# Altium PCB DM1092.PcbDoc (part 3 of 5)
Units mm, origin at the board's own origin, x right, y up, seen from the top; angles counter-clockwise.
Board outline 60 x 51 mm, 6 copper layers (Layer 1, Layer 2, Layer 3, Layer 4, Layer 5, Layer 6), stack 1.599 mm thick; 254 components, 187 nets, 978 pads, 548 vias.
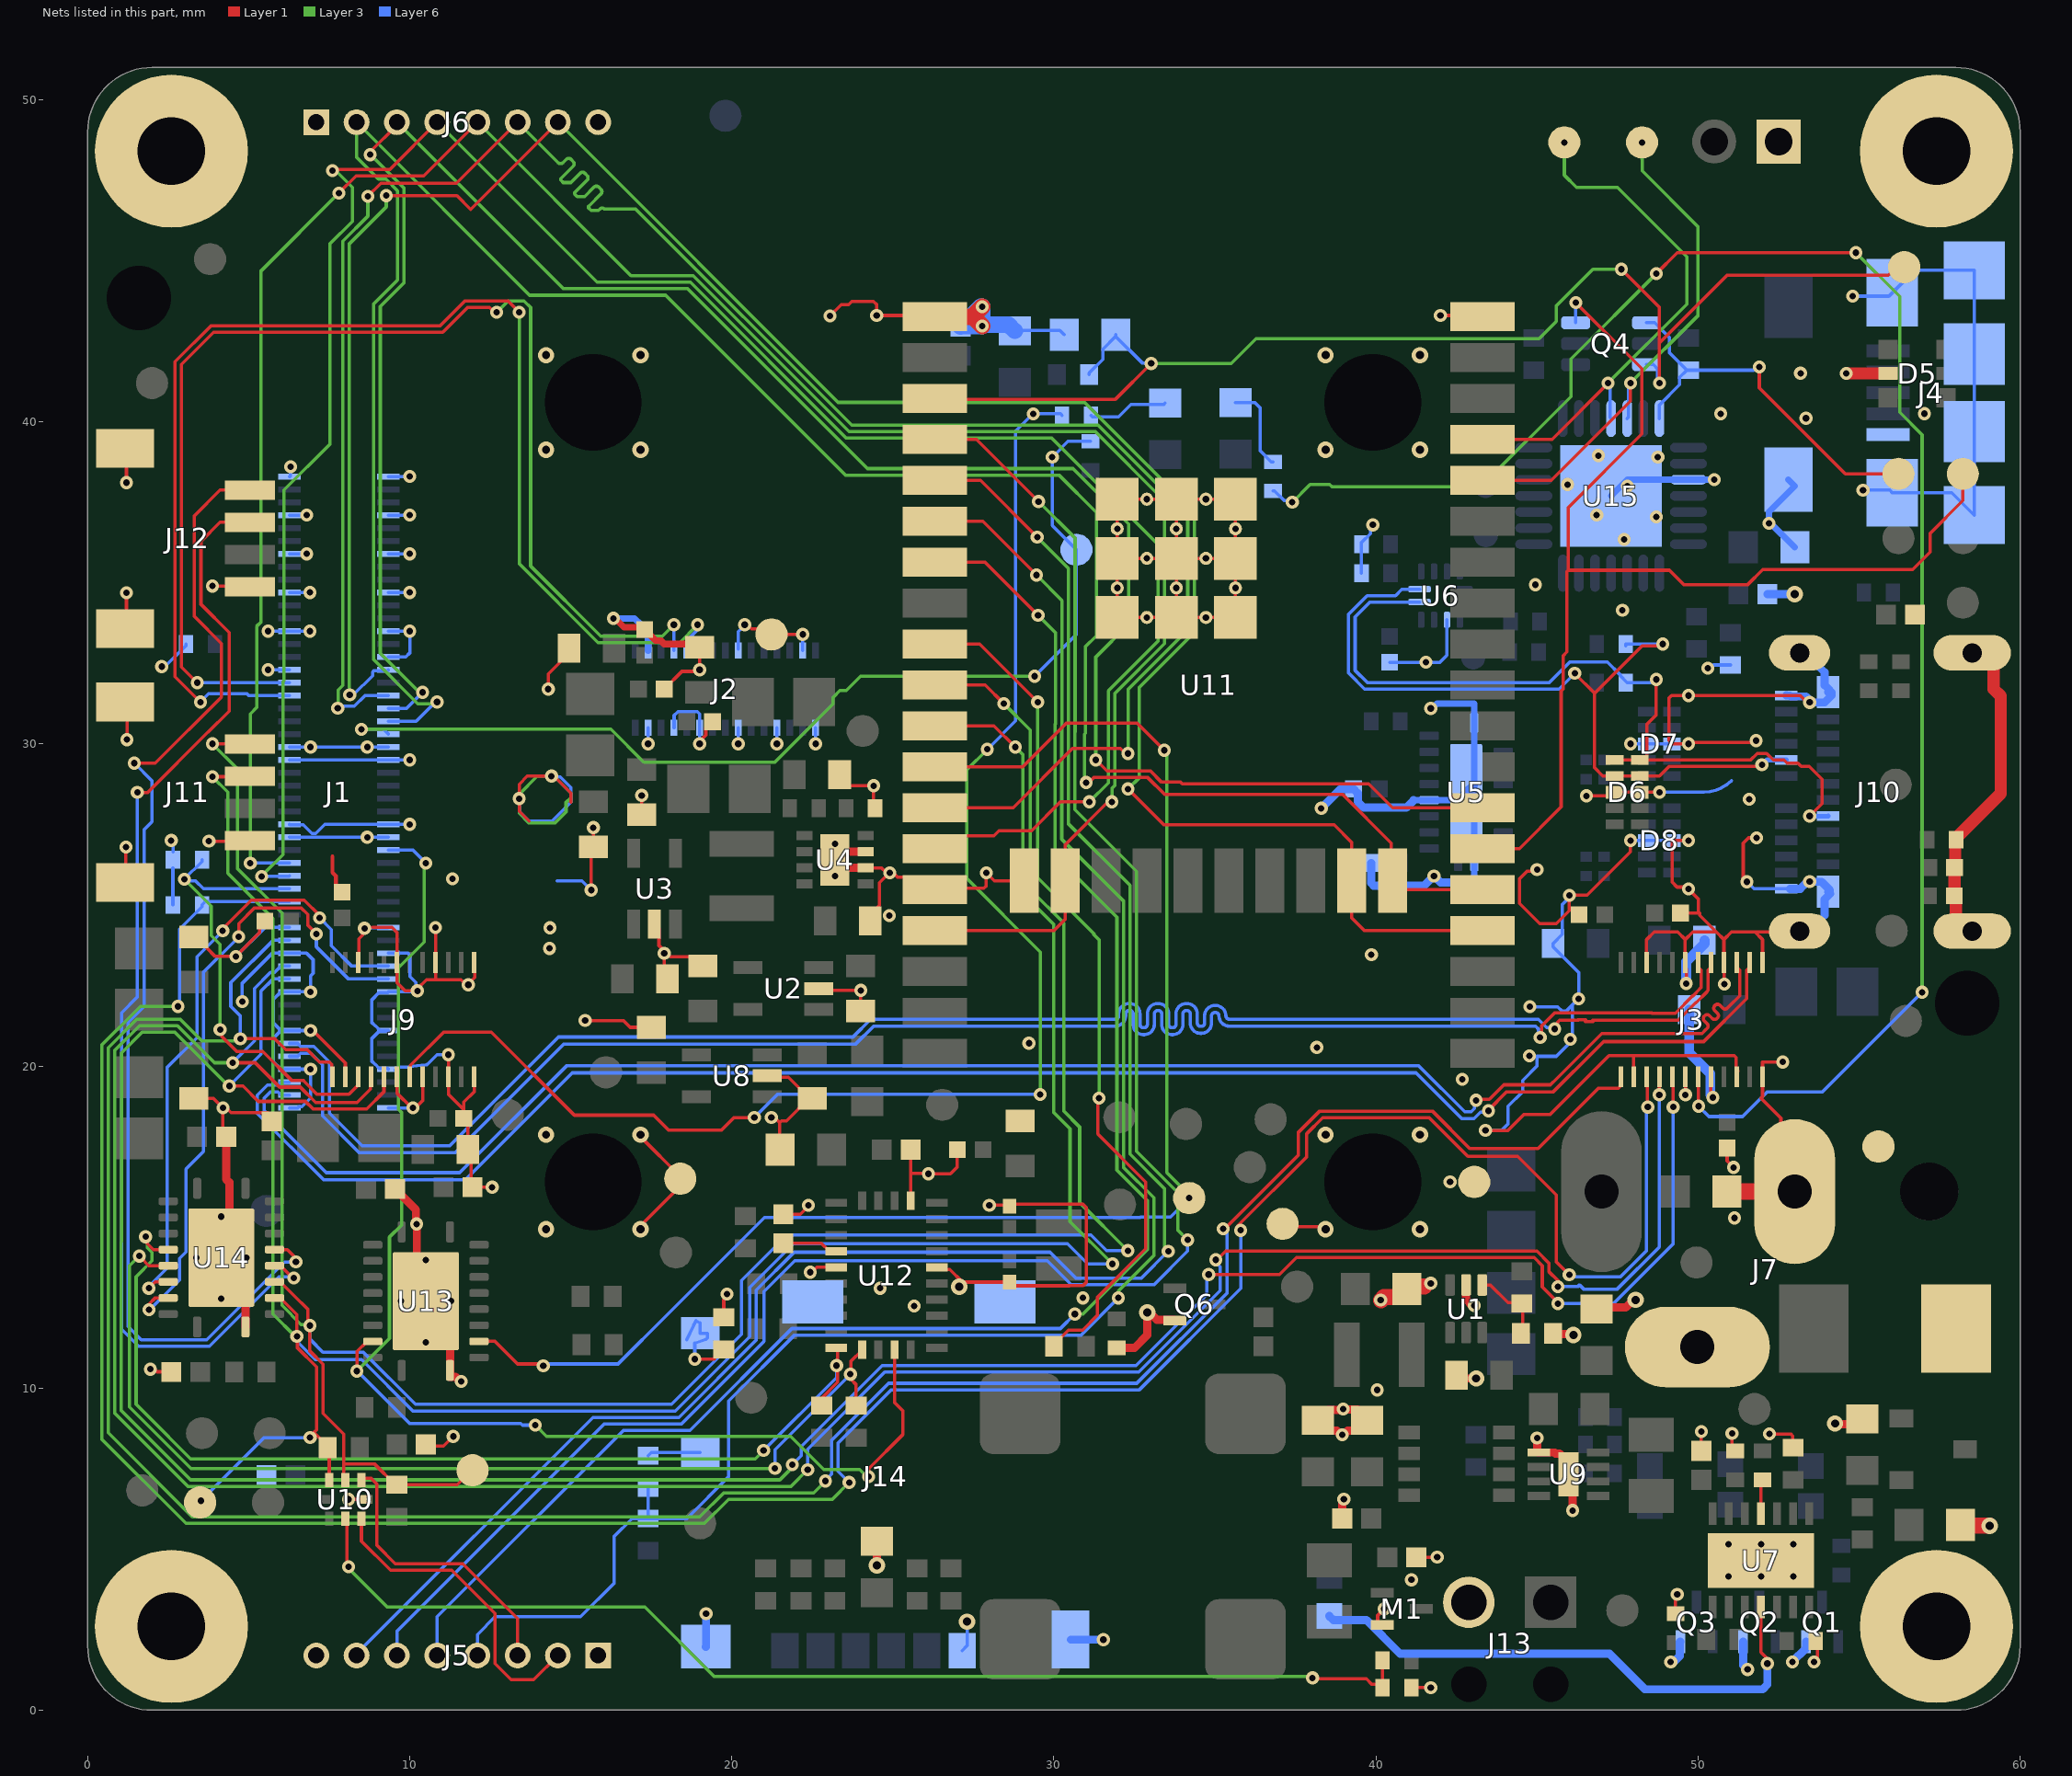
[diagram p7: the nets of this part, all layers, seen from the top]

## Via types
v1: diameter 0.406, hole 0.203, Layer 1 to Layer 6, tented both sides, 495 vias
v2: diameter 0.508, hole 0.254, Layer 1 to Layer 6, tented both sides, 29 vias
v3: diameter 0.508, hole 0.254, Layer 1 to Layer 6, tented top, 16 vias
v4: diameter 0.5, hole 0.2, Layer 1 to Layer 6, 6 vias
v5: diameter 0.406, hole 0.203, Layer 1 to Layer 6, tented bottom, 2 vias

## Nets (pads, with @x,y where several pads share a name; then routed paths per layer and width w, separated by ;. In a path a pad name is that pad's centre, name@x,y a point inside that pad or via, vN(x,y) a via of type N, cw(c..) or ccw(c..) an arc to the next point about the centre after c; other vN are vias at no path point) (continued)
CAM_B_CLK_OUT: J1.73 J3.24 J9.24 | length 81.6
  Layer 1 w0.102: v1(4.74,20.844) 5.806,20.844 6.147,20.503 6.817,20.503 7.196,20.125 7.501,20.125 7.576,20.05 7.576,19.772 J9.24@7.6,19.748 ; v1(35.25,14.95) 35.311,14.95 37.582,17.221 37.582,17.932 38.25,18.6 41.75,18.6 42.908,17.442 45.031,17.442 46.902,19.313 47.527,19.313 47.576,19.362 J3.24@47.576,19.616
  Layer 3 w0.102: v1(4.74,20.844) 4.658,20.844 4.587,20.773 3.55,20.773 2.867,21.456 1.529,21.456 0.637,20.563 0.637,8.613 3.248,6.002 19.002,6.002 19.748,6.748 22.541,6.748 v1(22.908,7.115)
  Layer 6 w0.102: v1(4.74,20.844) 4.74,21.559 4.446,21.853 4.446,22.588 5.758,23.9 J1.73@6.26,23.9 ; v1(22.908,7.115) 22.908,7.135 23.1,7.327 23.1,8.38 24.87,10.15 32.57,10.15 35.38,12.96 35.38,14.82 v1(35.25,14.95)
CAM_B_D_PWM: J1.65 J9.22 R9.1 | length 14.9
  Layer 1 w0.102: v1(4.113,21.127) v1@4.127,21.127 ; v1@4.12,21.12 4.171,21.069 4.171,20.913 4.63,20.454 5.434,20.454 6.342,19.546 6.704,19.546 6.704,19.536 7.116,19.125 8.112,19.125 8.4,19.413 J9.22@8.4,19.663
  Layer 3 w0.102: v1(3,25.8) 3.84,24.96 3.84,24.048 4.113,23.775 v1(4.113,21.127)
  Layer 6 w0.102: R9.1@3.55,26.4 3.55,26.35 v1(3,25.8) 3.055,25.745 3.346,25.745 3.591,25.5 J1.65@6.26,25.5
CAM_B_PWDN_N: J1.67 J3.22 R2.1 | length 87.5
  Layer 1 w0.102: v1(35.8,14.9) 35.8,14.965 35.715,15.05 37.85,17.185 37.85,17.9 38.348,18.398 41.652,18.398 42.85,17.2 44.4,17.2 45.599,16.001 45.599,13.919 v1(45.999,13.518) ; v1@48.412,18.751 48.419,18.757 J3.22@48.419,19.743
  Layer 3 w0.102: v1(2.8,21.848) 1.637,21.848 0.435,20.647 0.435,8.415 3.05,5.8 19.15,5.8 19.897,6.547 23.118,6.547 v1(23.643,7.072)
  Layer 6 w0.102: v1(2.8,21.848) 2.85,21.898 2.85,24.25 3.55,24.95 R2.1@3.55,25 3.65,25.1 J1.67@6.26,25.1 ; v1(23.643,7.072) 23.302,7.413 23.302,8.296 24.954,9.948 32.654,9.948 35.8,13.095 v1(35.8,14.9) ; v1(45.999,13.518) 46.069,13.449 47.58,13.449 48.401,14.27 48.401,18.688 v1(48.438,18.725)
CAP: C46.1 U12.9 | length 1.7
  Layer 1 w0.102: C46.1@21.6,14.5 22.775,14.5 23.025,14.25 U12.9@23.237,14.25
CC1: D6.4 D6.7 J10.A5 R18.2 U6.2 | length 25.2
  Layer 1 w0.102: v1(46.17,32.189) 46.787,31.572 46.787,29.254 47.041,29 D6.4@48.19,29 48.801,29 49.096,29.295 51.927,29.295 v1(51.981,29.349) ; 46.788,31.572 48.261,33.046 48.846,33.046 v1(48.9,33.1)
  Layer 6 w0.102: U6.2@41.35,34.8 40.804,34.8 40.605,34.602 39.723,34.602 39.149,34.027 39.149,32.196 39.641,31.703 45.679,31.703 46.165,32.189 v1(46.17,32.189) ; R18.2@47.75,33.05 R18.2@47.75,33.1 v1(48.9,33.1)
  Layer 6 w0.158: v1(51.981,29.349) 51.993,29.349 52.149,29.505 52.251,29.505 52.254,29.502 52.741,29.502 J10.A5@52.741,29.506
CC2: D6.5 D6.6 J10.B5 R19.2 U6.1 | length 25.4
  Layer 1 w0.102: D6.6@47.41,29.5 D6.5@48.19,29.5 D6.5@48.315,29.5 ; v1(48.7,32) 48.7,30.901 48.414,30.615 48.414,29.599 D6.5@48.315,29.5 ; v1(53.463,27.758) 53.85,28.145 53.85,28.903 53.454,29.299 53.2,29.299 53.097,29.402 52.765,29.402 52.667,29.5 52.331,29.5 52.127,29.703 51.834,29.703 51.631,29.5 D6.5@48.315,29.5
  Layer 6 w0.102: U6.1@41.35,34.4 39.807,34.4 39.35,33.944 39.35,32.279 39.725,31.905 45.38,31.905 46.018,32.543 47.183,32.543 47.576,32.151 47.576,32.124 47.8,31.9 48.518,31.9 48.618,32 v1(48.7,32)
  Layer 6 w0.152: v1(53.463,27.758) 53.469,27.752 53.572,27.752 53.573,27.751 54.041,27.751 J10.B5@54.041,27.756
CD_SW1: J14.9 R22.1 | length 1.7
  Layer 6 w0.102: R22.1@17.4,7.9 17.5,8 J14.9@19.015,8
CD_SW2: J14.10 R23.2 | length 3.5
  Layer 1 w0.102: v1(18.85,10.9) 19.45,10.9 19.476,10.926 19.476,10.976 19.7,11.2 R23.2@19.75,11.2
  Layer 6 w0.102: J14.10@18.597,11.503 18.822,11.967 18.884,12.095 19.015,12.024 J14.10@19.015,11.7 19.239,11.7 19.239,11.556 19.193,11.51 18.85,11.393 v1(18.85,10.9)
CHG: D9.1 U7.11 | length 17.1
  Layer 1 w0.102: U7.11@51.95,3.2 51.95,1.8 52.15,1.6 v1(52.15,1.45)
  Layer 6 w0.254: D9.1@38.55,2.925 38.675,2.8 39.7,2.8 40.75,1.75 47.25,1.75 48.35,0.65 52.001,0.65 52.15,0.799 v1(52.15,1.45)
COM_AUX_IO2: J1.42 R4.1 TP4.1 | length 32.5
  Layer 3 w0.102: v1(8.503,30.452) 8.505,30.454 16.246,30.454 17.267,29.433 21.334,29.433 23.146,31.245 23.146,31.447 23.353,31.654 23.555,31.654 24.001,32.1 v1(29.4,32.1)
  Layer 6 w0.102: v1(8.503,30.452) 9.188,30.452 J1.42@9.34,30.3 ; v1(29.4,32.1) 30.698,33.398 TP4.1@30.698,36.026 29.948,36.777 v1(29.948,38.9) ; v1(29.948,38.9) 30.439,39.392 R4.1@31.138,39.392
DTR: Q4.1 R43.1 TP57.1 U15.28 | length 12.4
  Layer 1 w0.102: v1(51.9,41.7) 51.9,41.054 54.572,38.383 TP57.1@56.219,38.383
  Layer 6 w0.102: Q4.1@48.4,43.075 48.65,43.075 49.104,42.621 49.104,42.146 R43.1@49.65,41.6 ; U15.28@48.8,40.1 48.8,40.525 49.426,41.151 49.426,41.376 R43.1@49.65,41.6 ; R43.1@49.7,41.6 R43.1@49.65,41.6 ; v1(51.9,41.7) 51.818,41.7 51.718,41.6 R43.1@49.65,41.6
EN: C57.2 Q4.3 R41.1 TP30.1 U11.3 | length 39.7
  Layer 1 w0.102: U11.3@26.364,40.7 31.911,40.7 v1(33.021,41.81) ; v1(47.615,44.735) 48.8,43.55 48.8,42.45 ; v1(48.8,41.2) 48.8,42.45 ; TP30.1@56.4,44.8 56.157,44.8 55.907,44.55 50.9,44.55 48.8,42.45
  Layer 3 w0.102: v1(33.021,41.81) 35.505,41.81 36.271,42.576 45.06,42.576 45.599,43.116 45.599,43.6 46.734,44.735 v1(47.615,44.735)
  Layer 6 w0.102: R41.1@31.091,41.464 31.091,41.514 31.516,41.939 31.516,42.254 C57.2@31.915,42.653 ; C57.2@31.915,42.703 C57.2@31.915,42.653 ; v1(33.021,41.81) 33.003,41.828 32.74,41.828 C57.2@31.915,42.653 ; Q4.3@48.4,41.775 48.61,41.775 48.743,41.641 48.743,41.257 v1(48.8,41.2)
ENV_SCL_1V8: R37.2 U12.15 U14.5 | length 32.4
  Layer 1 w0.102: v1(1.8,14.7) 1.8,14.543 2.043,14.3 U14.5@2.5,14.3 ; R37.2@22.793,9.457 22.793,9.693 23.287,10.187 23.287,10.666 v1(23.252,10.701) ; U12.15@23.212,11.25 23.287,11.176 v1@23.287,10.681
  Layer 3 w0.102: v1(1.8,14.7) 1.858,14.642 1.858,14.356 2,14.214 2,13.95 1.504,13.454 1.504,9.496 1.85,9.15 3.2,7.8 20.727,7.8 20.985,8.058 v1(20.985,8.066)
  Layer 6 w0.102: v1(20.985,8.066) 23.252,10.333 v1(23.252,10.701)
ENV_SCL_3V3: J12.1 U14.16 | length 36.9
  Layer 1 w0.102: v1(1.45,29.4) 2.102,29.4 4.154,31.452 4.154,33.113 3.316,33.952 3.316,37.086 4.11,37.88 J12.1@5.037,37.88 ; U14.16@5.8,14.3 6.2,14.3 6.48,14.02 6.466,14.005 v1(6.466,13.921)
  Layer 6 w0.102: v1(1.45,29.4) 1.996,28.854 1.996,27.583 1.748,27.335 1.748,21.848 1.253,21.353 1.253,11.911 1.663,11.502 3.7,11.502 6.11,13.912 6.457,13.912 v1(6.466,13.921)
ENV_SDA_1V8: R38.2 U12.16 U14.6 | length 32.5
  Layer 1 w0.102: v1(1.607,14.1) 1.65,14.057 1.65,14.05 1.9,13.8 U14.6@2.5,13.8 ; v1(23.679,10.43) v1@23.7,10.43 ; R38.2@23.859,9.457 23.859,10.108 23.7,10.268 23.7,10.838 U12.16@24.05,11.187
  Layer 3 w0.102: v1(1.607,14.1) 1.6,14.1 1.3,13.8 1.3,9.415 3.213,7.502 21.335,7.502 v1(21.339,7.506)
  Layer 6 w0.102: v1(21.339,7.506) 21.339,8.09 v1(23.679,10.43)
ENV_SDA_3V3: J12.2 U14.15 | length 35.5
  Layer 1 w0.102: v1(1.542,28.492) 1.863,28.492 3.725,30.354 3.729,30.354 4.394,31.019 4.394,33.457 3.517,34.334 3.517,36.287 4.11,36.88 J12.2@5.037,36.88 ; U14.15@5.8,13.8 5.985,13.8 6.366,13.419 v1(6.398,13.419)
  Layer 6 w0.102: v1@1.625,28.492 v1(1.542,28.492) 1.542,22.142 1.052,21.652 1.052,11.828 1.579,11.3 3.784,11.3 5.942,13.458 6.359,13.458 v1(6.398,13.419)
ESP_GPI34: J5.4 R22.2 R64.1 U11.6 | length 56.3
  Layer 1 w0.102: U11.6@26.3,36.91 27.79,36.91 v1(29.46,35.24)
  Layer 3 w0.102: v1(29.46,35.24) 30.253,34.447 30.253,30.535 30.243,30.525 30.243,27.04 32.157,25.125 32.157,16.855 33.102,15.91 33.102,14.116 32.007,13.021 32.007,12.843 32,12.837 v1(32,12.8)
  Layer 6 w0.102: J5.4@12.1,1.7 12.1,2.35 12.65,2.9 15.3,2.9 16.35,3.95 16.35,5.4 16.9,5.95 R64.1@17.4,5.95 ; R22.2@17.4,6.9 R64.1@17.4,5.95 ; v1(32,12.8) 30.848,11.648 21.948,11.648 19.9,9.6 19.9,7.25 18.6,5.95 R64.1@17.4,5.95
ESP_GPI35: J5.5 U11.7 | length 53
  Layer 1 w0.102: U11.7@26.3,35.64 27.86,35.64 v1(29.507,33.993)
  Layer 3 w0.102: v1(29.507,33.993) 30.051,33.449 30.051,30.618 30.041,30.608 30.041,26.53 31.956,24.616 31.956,16.771 32.9,15.827 32.9,14.299 30.901,12.3 v1(30.65,12.3)
  Layer 6 w0.102: J5.5@10.85,1.7 10.852,1.702 10.852,2.902 16.636,8.686 18.7,8.686 21.864,11.849 30.199,11.849 v1(30.65,12.3)
ESP_GPI36: J5.6 U11.4 | length 60.9
  Layer 1 w0.102: U11.4@26.3,39.45 27.595,39.45 v1(29.523,37.522)
  Layer 3 w0.102: v1(29.523,37.522) 30.656,36.389 30.656,30.368 30.646,30.358 30.646,27.957 32.56,26.043 32.56,17.351 33.846,16.065 33.846,14.904 v1(34.15,14.6)
  Layer 6 w0.102: J5.6@9.6,1.7 9.6,2.45 16.037,8.887 18.437,8.887 21.001,11.451 21.001,13 21.955,13.953 29.797,13.953 30.535,13.215 33.112,13.215 34.15,14.253 v1(34.15,14.6)
ESP_GPI39: J5.7 U11.5 | length 59.8
  Layer 1 w0.102: U11.5@26.3,38.18 27.72,38.18 v1(29.482,36.418)
  Layer 3 w0.102: v1(29.482,36.418) 30.454,35.446 30.454,30.451 30.444,30.441 30.444,27.524 32.359,25.61 32.359,17.267 33.437,16.188 33.437,14.363 v1(33.55,14.25)
  Layer 6 w0.102: J5.7@8.35,1.7 8.35,1.755 15.683,9.089 18.354,9.089 20.755,11.49 20.755,13.038 21.935,14.218 29.876,14.218 30.677,13.417 32.717,13.417 v1(33.55,14.25)
ESP_GPIO0: Q4.6 TP53.1 U11.25 | length 35.4
  Layer 1 w0.102: U11.25@43.3,26.75 44.452,26.75 45.746,28.044 45.746,31.647 45.816,31.717 45.816,32.746 45.924,32.854 45.924,35.348 45.967,35.391 ; v1(46.2,43.7) 48.254,41.646 48.254,39.621 45.967,37.333 45.967,35.391 ; TP53.1@58.219,37.9 58.219,37.551 57.203,36.535 57.203,35.953 56.664,35.414 52.011,35.414 51.544,34.946 49.553,34.946 49.109,35.391 45.967,35.391
  Layer 6 w0.102: Q4.6@46.2,43.075 v1(46.2,43.7)
ESP_GPIO2: J1.40 J6.2 U11.24 | length 73
  Layer 1 w0.102: v1(31,28.8) 31.082,28.8 31.236,28.954 32.915,28.954 33.44,28.428 38.964,28.428 40.473,26.919 40.473,25.792 40.785,25.48 U11.24@43.3,25.48
  Layer 3 w0.102: v1(10.848,31.3) 10.794,31.246 10.253,31.246 8.884,32.615 8.884,43.66 9.625,44.401 9.625,47.168 9.264,47.529 9.03,47.529 8.35,48.209 J6.2@8.35,49.3 13.722,43.928 17.94,43.928 23.523,38.344 30.156,38.344 31.32,37.18 31.32,33.359 30.972,33.01 30.972,30.326 30.946,30.301 30.946,28.854 v1(31,28.8)
  Layer 6 w0.102: J1.40@9.34,30.7 10.197,30.7 10.797,31.3 v1(10.848,31.3)
ESP_GPIO4: J1.38 J6.3 U11.26 | length 68.9
  Layer 1 w0.102: v1(8.768,48.292) 8.768,48.375 9.6,49.207 J6.3@9.6,49.3 ; v1(31.3,29.5) 31.644,29.156 32.998,29.156 33.343,28.811 33.933,28.811 33.985,28.758 39.776,28.758 40.515,28.02 U11.26@43.3,28.02
  Layer 3 w0.102: v1(8.768,48.292) 8.786,48.292 9.827,47.251 9.827,44.317 9.086,43.576 9.086,32.811 9.486,32.411 10.297,31.6 v1(10.4,31.6) ; J6.3@9.6,49.3 14.771,44.129 18.63,44.129 24.214,38.546 30.597,38.546 32.319,36.824 32.319,33.713 31.3,32.694 v1(31.3,29.5)
  Layer 6 w0.102: J1.38@9.34,31.1 9.9,31.1 v1(10.4,31.6)
ESP_GPIO12: J1.63 J6.4 U11.14 | length 70.2
  Layer 1 w0.102: v1(7.6,47.8) 7.637,47.837 9.387,47.837 J6.4@10.85,49.3 ; U11.14@26.3,26.75 26.699,27.149 28.134,27.149 28.29,27.305 29.306,27.305 30.201,28.2 v1(31.1,28.2)
  Layer 3 w0.102: v1(5.4,25.881) 5.4,25.901 6.062,26.563 6.062,31.923 6.096,31.956 6.096,37.877 7.517,39.298 7.517,45.523 8.217,46.224 8.217,47.273 7.69,47.8 v1(7.6,47.8) ; J6.4@10.85,49.3 15.819,44.331 18.714,44.331 23.555,39.49 29.938,39.49 33.236,36.192 33.236,33.192 31.692,31.648 31.692,28.792 v1(31.1,28.2)
  Layer 6 w0.102: v1(5.4,25.881) 5.409,25.891 6.251,25.891 J1.63@6.26,25.9
ESP_GPIO13: J1.61 J6.5 U11.16 | length 73.1
  Layer 1 w0.102: v1(7.8,47.1) 8.335,47.635 10.435,47.635 J6.5@12.1,49.3 ; U11.16@26.3,24.21 30.005,24.21 30.355,24.56 30.355,26.873 31.682,28.2 v1(31.8,28.2)
  Layer 3 w0.102: v1(5.05,26.3) 5.05,30.931 5.246,31.127 5.246,33.647 5.385,33.786 5.385,44.685 v1(7.8,47.1) ; J6.5@12.1,49.3 16.867,44.533 18.797,44.533 23.638,39.692 31.286,39.692 33.438,37.54 33.438,33.109 31.894,31.564 31.894,28.709 31.8,28.615 v1(31.8,28.2)
  Layer 6 w0.102: v1(5.05,26.3) J1.61@6.26,26.3
ESP_GPIO14: J1.36 J6.6 U11.13 | length 67.8
  Layer 1 w0.102: v1(8.7,47) 9.102,47.402 11.452,47.402 J6.6@13.35,49.3 ; U11.13@26.3,28.02 28.739,28.02 30.573,29.854 32.063,29.854 32.217,29.7 v1(32.3,29.7)
  Layer 3 w0.102: v1(7.764,31.107) 7.782,31.125 7.782,31.671 7.925,31.814 7.925,45.61 8.7,46.385 v1(8.7,47) ; J6.6@13.35,49.3 14.606,48.044 ccw(c14.682,48.119) 14.757,48.044 14.858,48.144 cw(c14.933,48.069) 15.009,48.144 15.073,48.08 cw(c14.998,48.004) 15.073,47.929 14.721,47.577 14.69,47.545 14.69,47.501 14.766,47.426 15.002,47.426 15.289,47.713 cw(c15.364,47.638) 15.44,47.713 15.504,47.648 cw(c15.429,47.573) 15.504,47.498 15.152,47.146 15.121,47.114 15.121,47.07 15.197,46.995 15.433,46.995 15.72,47.282 cw(c15.795,47.207) 15.871,47.282 15.935,47.217 cw(c15.86,47.142) 15.935,47.067 15.583,46.715 15.552,46.683 15.552,46.639 15.628,46.564 15.864,46.564 15.9,46.6 cw(c15.975,46.524) 16.05,46.6 17.015,46.6 23.722,39.893 31.37,39.893 34.154,37.109 34.154,34.989 34.154,33.54 32.3,31.686 v1(32.3,29.7)
  Layer 6 w0.102: v1(7.764,31.107) 7.827,31.17 8.283,31.17 8.612,31.5 J1.36@9.34,31.5
ESP_GPIO15: J1.32 J6.7 U11.23 | length 72.6
  Layer 1 w0.102: v1(9.271,47.021) 11.468,47.021 11.895,46.595 J6.7@14.6,49.3 ; v1(32.3,28.6) 33.412,27.488 38.697,27.488 39.245,26.941 U11.23@39.245,25.75 39.245,24.598 39.633,24.21 U11.23@43.3,24.21
  Layer 3 w0.102: v1(8.136,31.524) 8.126,31.534 8.126,45.526 9.271,46.671 v1(9.271,47.021) ; J6.7@14.6,49.3 23.299,40.601 30.947,40.601 34.356,37.193 34.356,33.456 32.654,31.755 32.654,28.954 v1(32.3,28.6)
  Layer 6 w0.102: v1(8.136,31.524) 8.254,31.524 8.845,32.115 8.845,32.233 8.885,32.274 9.313,32.274 J1.32@9.34,32.3
ESP_GPIO16_PWM: R57.1 U11.9 | length 26.8
  Layer 1 w0.102: U11.9@26.3,33.1 27.693,33.1 v1(29.496,31.298) ; R57.1@30,11.3 30,11.35 30.45,11.8 30.889,11.8 31.35,12.261 31.35,12.822 32.85,14.322 32.85,16.4 31.361,17.889 31.361,18.961 v1(31.4,19)
  Layer 3 w0.102: v1(29.496,31.298) 29.496,25.85 31.242,24.104 31.23,24.091 31.4,23.921 v1(31.4,19)
ESP_GPIO27: TP47.1 U11.12 U13.13 | length 46.7
  Layer 1 w0.102: U13.13@12.15,11.45 12.647,11.45 13.348,10.75 14.09,10.75 v1(14.146,10.694) ; U11.12@26.3,29.29 29.03,29.29 30.378,30.638 30.567,30.638 32.588,30.638 32.912,30.314 v1(33.426,29.8)
  Layer 3 w0.102: v1(33.426,29.8) 33.506,29.721 33.506,16.69 v1@34.248,15.948
  Layer 6 w0.102: v1(14.146,10.694) 14.202,10.75 16.467,10.75 17.998,12.281 21.017,15.3 32.683,15.3 32.698,15.315 33.615,15.315 v1(34.2,15.9)
ESP_RXD0: TP38.1 U11.34 U15.26 | length 16.9
  Layer 1 w0.102: U11.34@43.3,38.18 45.439,38.18 47.9,40.641 v1(47.9,41.2)
  Layer 3 w0.102: v1(47.9,41.2) 50,43.3 50,46.047 48.262,47.785 48.262,48.67 v1(48.26,48.672) 48.26,48.168
  Layer 6 w0.102: U15.26@47.8,40.1 47.833,40.133 47.833,41.133 v1(47.9,41.2)
ESP_TXD0: TP35.1 U11.35 U15.25 | length 16.6
  Layer 1 w0.102: U11.35@43.3,39.45 45.464,39.45 47.2,41.186 v1(47.2,41.2)
  Layer 3 w0.102: v1(45.847,48.672) 45.847,47.656 46.228,47.275 47.495,47.275 49.654,45.116 49.654,43.654 v1(47.2,41.2)
  Layer 6 w0.102: v1(47.2,41.2) 47.267,41.133 47.267,40.133 U15.25@47.3,40.1
EXP_P2: J5.2 U10.3 | length 9.8
  Layer 1 w0.102: U10.3@8.5,5.946 8.5,5.25 9.402,4.348 11.302,4.348 12.65,3 12.65,1.929 12.651,1.449 13.15,0.95 13.85,0.95 J5.2@14.6,1.7
EXP_P3: J5.3 U10.5 | length 8.9
  Layer 1 w0.102: U10.5@8.5,7.146 8.554,7.2 8.8,7.2 8.976,7.024 8.976,5.124 9.55,4.55 11.65,4.55 13.35,2.85 J5.3@13.35,1.7
EXP_PWR: R28.2 R59.2 U10.2 | length 36
  Layer 1 w0.102: U10.2@8,5.946 8.05,5.896 8.05,4.5 v1(8.1,4.45) ; v1(38.028,1.004) 38.057,0.974 39.701,0.974 39.875,0.8 40.1,0.8 R59.2@40.2,0.7 ; R59.2@40.2,0.8 R28.2@40.2,1.55
  Layer 3 w0.102: v1(8.1,4.45) 8.1,4.4 9.3,3.2 17.3,3.2 19.45,1.05 37.982,1.05 v1(38.028,1.004)
FB_3.3VIN: R5.1 R6.2 U1.1 | length 2.1
  Layer 1 w0.102: U1.1@43.297,13.202 43.548,13.202 44.094,12.656 44.494,12.656 R5.1@44.525,12.625 ; R6.2@44.55,11.984 R5.1@44.55,12.625
FSIN1: R3.2 R24.2 | length 2.7
  Layer 6 w0.102: R24.2@35.638,40.592 36.24,40.592 36.408,40.424 36.408,39.092 36.75,38.75 R3.2@36.8,38.75
FSIN1_IN: J3.18 R3.1 | length 55.7
  Layer 1 w0.102: v1(48.7,44.6) 49.35,45.25 v1(54.9,45.25) ; J3.18@50,19.762 50.013,19.749 v1(50.013,18.751)
  Layer 3 w0.102: v1(37.4,37.5) 37.954,38.054 38.561,38.054 38.636,37.978 43.248,37.978 46.052,40.782 46.052,41.952 v1(48.7,44.6) ; v1(54.9,45.25) 56.261,43.889 56.261,40.29 56.954,39.597 v1(56.954,22.29)
  Layer 6 w0.102: R3.1@36.8,37.85 36.85,37.85 37.142,37.558 37.342,37.558 v1(37.4,37.5) ; v1(50.013,18.751) 50.334,18.43 51.38,18.43 52.15,19.2 53.864,19.2 v1(56.954,22.29)
FSIN2: R10.2 R26.2 | length 2.5
  Layer 6 w0.102: R10.2@31.15,40.2 31.195,40.155 32.001,40.155 32.388,40.542 33.412,40.542 R26.2@33.452,40.582
FSIN2_IN: J9.18 R10.1 | length 45.9
  Layer 1 w0.102: J9.18@10,19.663 10.024,19.687 10.024,20.024 11.054,21.054 11.347,21.054 ; 11.347,21.054 12.53,21.054 15.111,18.474 17.575,18.474 18.034,18.014 19.685,18.014 20.071,18.4 v1(20.7,18.4)
  Layer 3 w0.102: v1(27.932,29.832) 27.3,29.2 27.3,25.816 29.578,23.537 29.578,19.128 v1(29.569,19.119)
  Layer 6 w0.102: v1(20.7,18.4) 21.419,19.119 v1(29.569,19.119) ; v1(27.932,29.832) 28.812,30.712 28.812,39.705 v1(29.354,40.247) 30.203,40.247 R10.1@30.25,40.2
GND: B1.1 C1.1 C2.1 C3.1 C4.1 C5.1 C6.1 C7.1 C8.1 C9.1 C10.1 C11.1 C12.1 C13.1 C14.1 C15.1 C16.2 C17.1 C18.1 C19.1 C20.1 C21.1 C22.1 C23.1 C24.1 C25.1 C26.1 C27.1 C28.1 C29.1 C30.1 C35.1 C36.1 C38.1 C39.1 C40.1 C41.1 C42.1 C43.1 C44.1 C45.1 C46.2 C47.1 C48.1 C49.1 C50.1 C51.1 C52.1 C53.1 C54.1 C55.1 C56.1 C57.1 C58.1 C59.1 C60.1 C61.1 C62.1 C63.1 C64.1 C65.1 C66.1 C68.1 D1.2 D5.2 D6.3 D6.8 D7.3 D7.8 D8.3 D8.8 J1.1 J1.2 J1.7 J1.8 J1.13 J1.14 J1.19 J1.20 J1.25 J1.26 J1.30 J1.31 J1.43 J1.44 J1.45 J1.46 J1.55 J1.56 J1.57 J1.58 J1.71 J1.72 J1.75 J1.76 J1.81 J1.82 J1.87 J1.88 J1.93 J1.94 J1.99 J1.100 J2.1 J2.4 J2.7 J2.10 J2.12 J2.14 J2.17 J2.24 J2.29 J3.3 J3.6 J3.9 J3.12 J3.13 J3.15 J3.17 J3.19 J3.23 J4.5 J4.6 J4.7 J4.8 J4.9 J4.10 J4.11 J5.1 J5.8 J6.1 J6.8 J7.2 J7.3 J8.P1 J9.3 J9.6 J9.9 J9.12 J9.13 J9.15 J9.17 J9.19 J9.23 J10.A1 J10.A12 J10.B1 J10.B12 J10.SH1 J10.SH2 J10.SH3 J10.SH4 J11.4 J11.S1 J11.S2 J12.4 J12.S1 J12.S2 J13.2 J14.6 J14.11 J14.12 J14.13 J14.14 M1.2 MH1.1 MH2.1 MH3.1 MH4.1 MP5.1 MP6.1 MP7.1 MP8.1 Q1.2 Q2.2 Q3.2 Q6.2 R1.2 R2.2 R6.1 R8.1 R9.2 R11.1 R12.2 R14.2 R16.2 R23.1 R44.1 R50.1 R52.1 R53.1 R54.1 R58.1 R59.1 TP14.1 TP15.1 TP16.1 TP17.1 TP20.1 U1.2 U2.2 U3.2 U4.2 U4.3 U4.9 U5.5 U5.11 U5.20 U5.21 U6.10 U7.15 U8.2 U9.1 U9.9 U10.4 U11.1 U11.15 U11.38 U11.39 U12.2 U12.10 U12.25 U13.11 U13.21 U14.11 U14.21 U15.3 U15.29 | length 377.6